# Altium PCB LH_JG_HHT_MAIN_PCB(DY)_V3.1DPT20170416PM.PcbDoc
Units mm, origin at the board's own origin, x right, y up, seen from the top; angles counter-clockwise.
Board outline 118.4 x 67 mm, 2 copper layers (Top Layer, Bottom Layer); 157 components, 70 nets, 441 pads, 169 vias.
Unrouted connection lines stored in the file: 1.
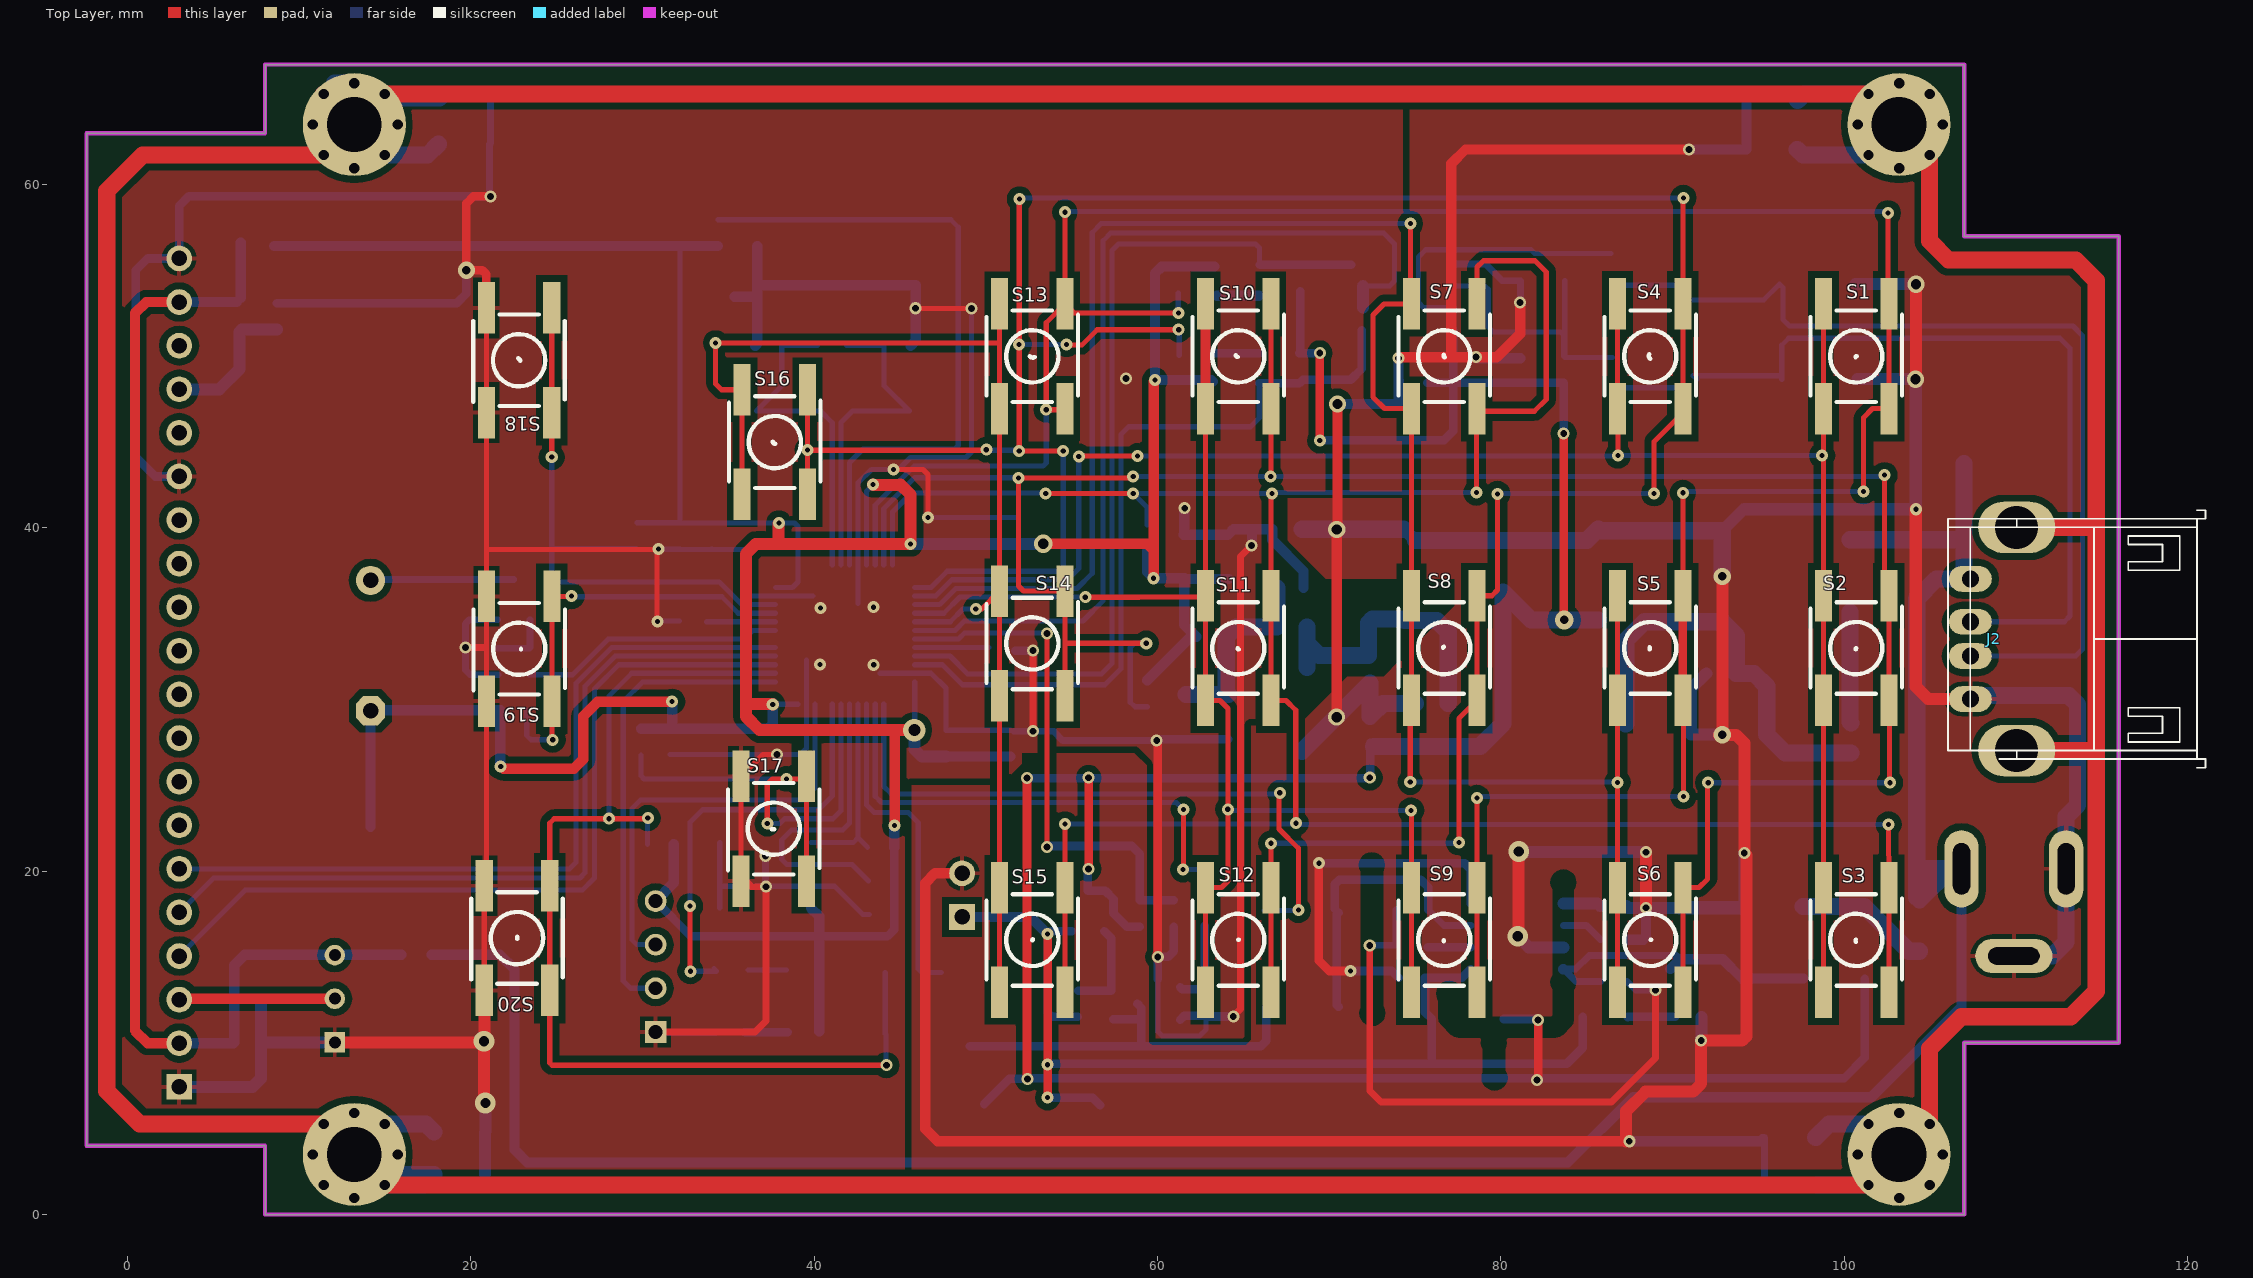
[diagram p0: Top Layer view]
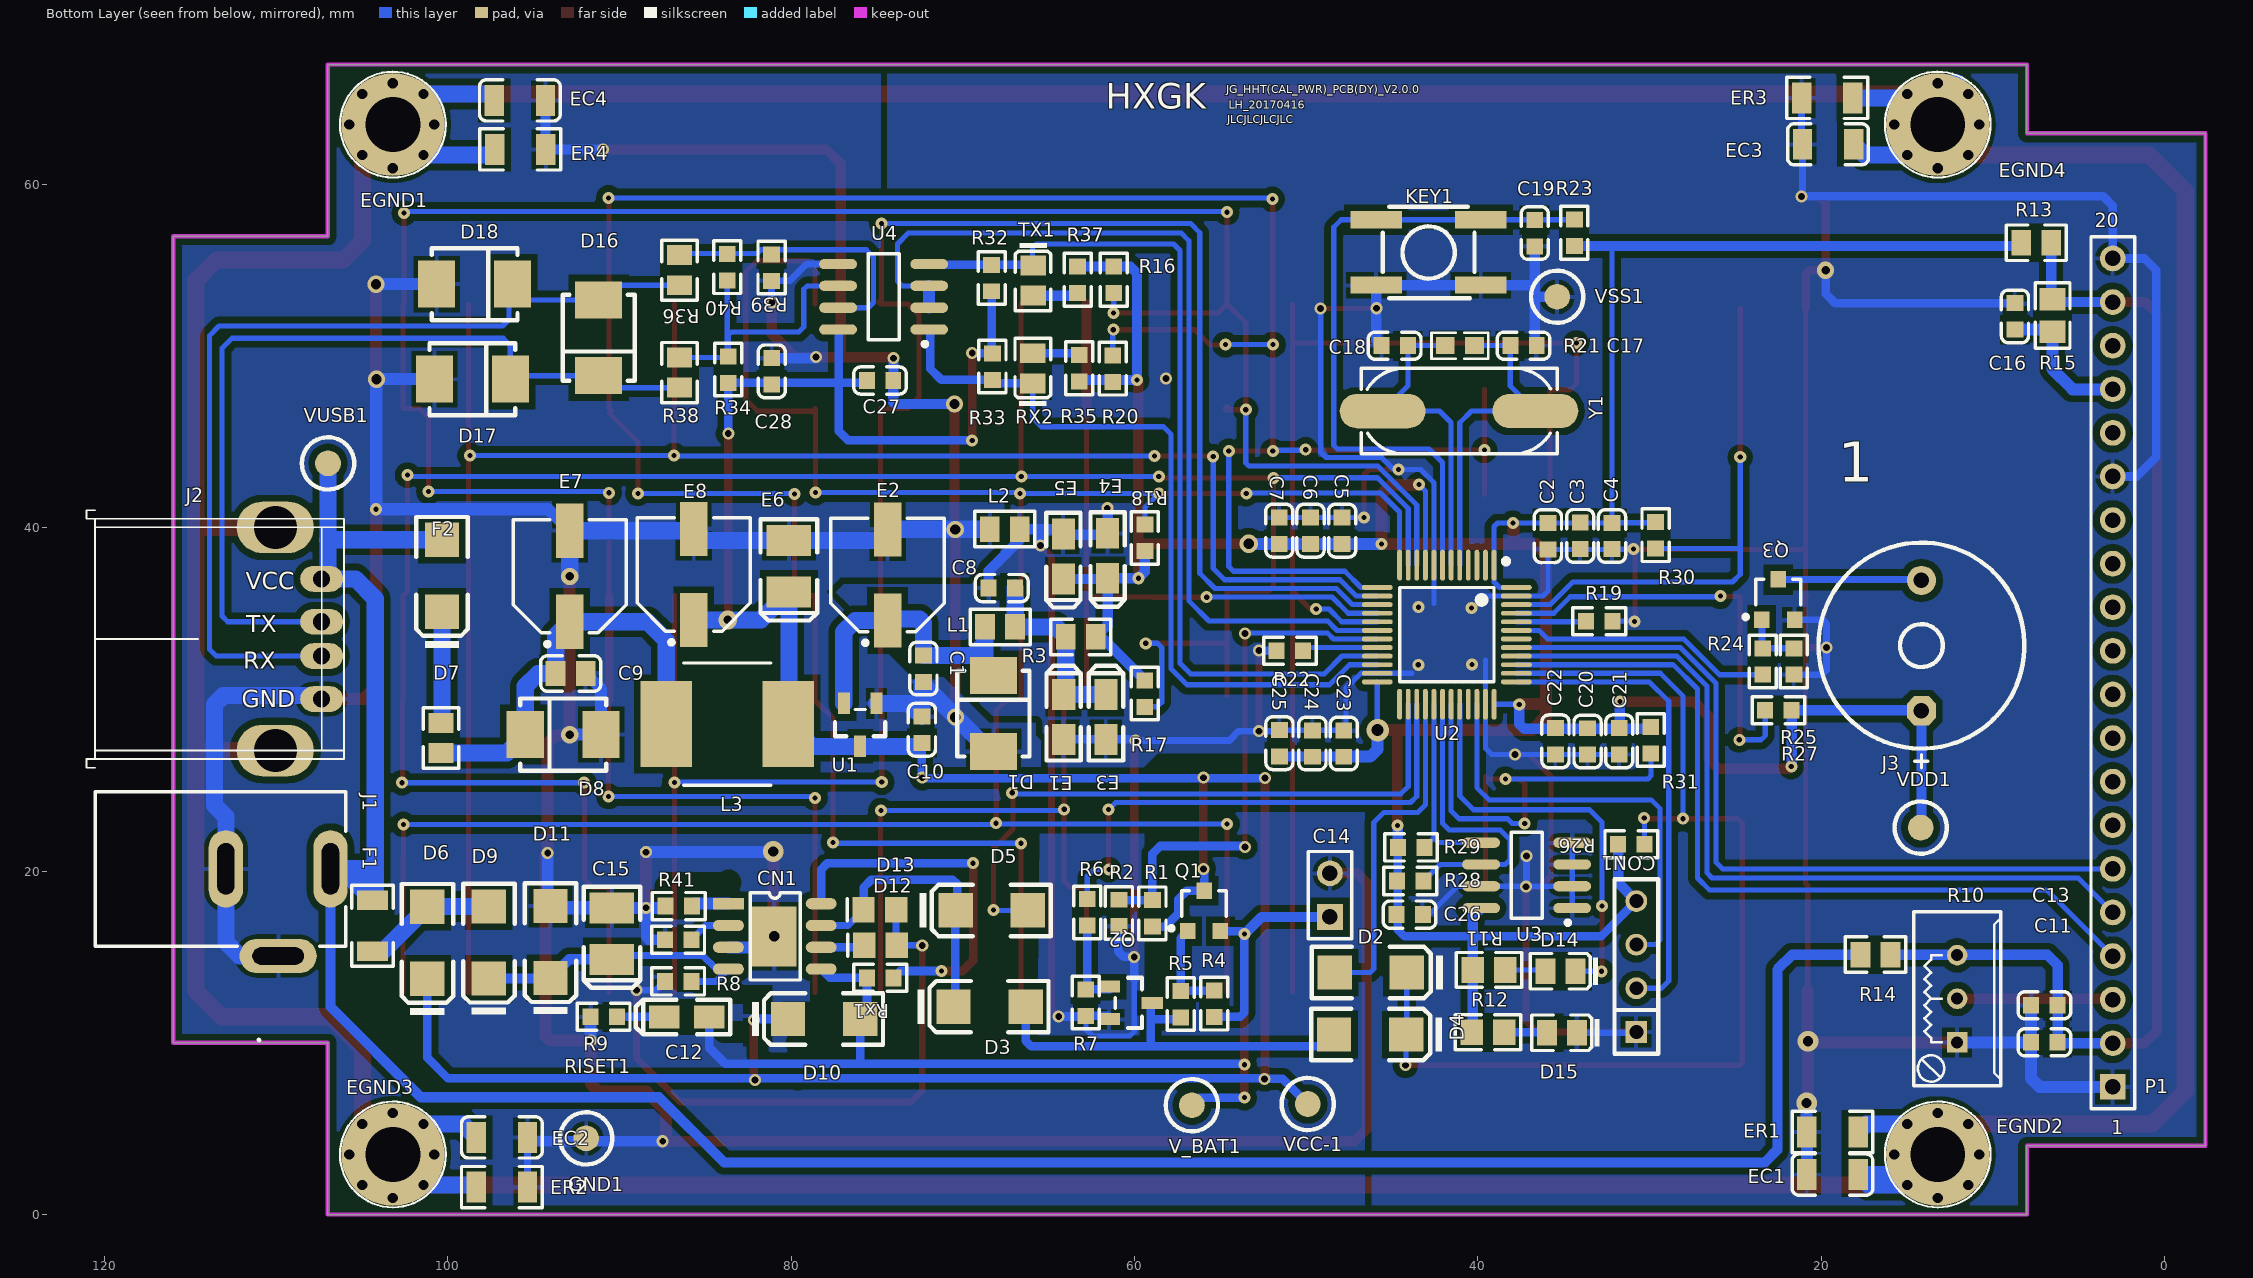
[diagram p1: Bottom Layer view, seen from below]

## Layer stack, top to bottom
Top Solder: solder mask 0.0102, Solder Resist, Dk 3.5
Top Layer: signal copper 0.0356
Dielectric1: dielectric 0.32, FR-4, Dk 4.8
Bottom Layer: signal copper 0.0356
Bottom Solder: solder mask 0.0102, Solder Resist, Dk 3.5

## Board outline
-2.4,4 -2.4,63 8,63 8,67 107,67 107,57 116,57 116,10 107,10 107,0 8,0 8,4

## Design rules (kind name [scope] priority, off if disabled: settings)
Clearance Clearance-poly [InPolygon] p1: gap=0.4
Clearance Clearance-track [All] p2: gap=0.2
PolygonConnect PolygonConnect_via [IsVia] p1: connectstyle=Direct reliefconductorwidth=0.254 reliefentries=4 polygonreliefangle="90 Angle" airgapwidth=0.254
PolygonConnect PolygonConnect_pad [All] p2: connectstyle=Relief reliefconductorwidth=0.254 reliefentries=4 polygonreliefangle="90 Angle" airgapwidth=0.254
RoutingVias [All] p1: holewidth=0.711 width=1.27 viastyle="Through Hole" minholewidth=0.711 minwidth=1.27 maxholewidth=0.711 maxwidth=1.27
SilkToSolderMaskClearance [IsPad] p1: minsilkscreentomaskgap=0 clearancetoexposedcopper=TRUE
SolderMaskExpansion [All] p1: expansion=0.102
Width [All] p1: maxlimit=2 minlimit=0.254 preferedwidth=0.4
29 further rules are at their usual default settings.

## Components (designator, comment, footprint, x,y, rotation, side; value= is the part's Value field where it differs from the comment)
C1 "100nf" LC-0603_C 72.29,31.809 r90 bottom
C2 "100nf" LC-0603_C 35.91,39.52 r270 bottom
C3 "100nf" LC-0603_C 34.03,39.54 r90 bottom
C4 "100nf" LC-0603_C 32.176,39.53 r90 bottom
C5 "100nf" LC-0603_C 47.9,39.84 r270 bottom
C6 "100nf" LC-0603_C 49.74,39.84 r270 bottom
C7 "100nf" LC-0603_C 51.56,39.84 r270 bottom
C8 "100nf" LC-0603_C 67.73,36.5 r180 bottom
C9 "100nf" LC-0805_C 92.84,31.521 r0 bottom
C10 "100nf" LC-0603_C 72.38,28.245 r270 bottom
C11 "1uf" LC-0603_C 6.985,10.033 r0 bottom
C12 "10uf" LC-CASE-A_3216 86.08,11.51 r0 bottom
C13 "0.01uF" LC-0603_C 6.985,12.192 r0 bottom
C14 "LI_BAT" HDR2X1-2.54 48.61,17.34 r90 bottom
C15 "100uF" LC-CASE-B_3528 90.44,16.37 r270 bottom
C16 "1uF" LC-0603_C 8.7,52.324 r90 bottom
C17 "22PF" LC-0603_C 37.33,50.622 r180 bottom
C18 "22PF" LC-0603_C 44.84,50.622 r0 bottom
C19 "100nf" LC-0603_C 36.68,57.18 r90 bottom
C20 "100nf" LC-0603_C 33.6,27.56 r90 bottom
C21 "100nf" LC-0603_C 31.75,27.57 r90 bottom
C22 "100nf" LC-0603_C 35.47,27.57 r90 bottom
C23 "100nf" LC-0603_C 47.8,27.44 r270 bottom
C24 "100nf" LC-0603_C 49.63,27.44 r270 bottom
C25 "100nf" LC-0603_C 51.55,27.46 r270 bottom
C26 "100nf" LC-0603_C 43.97,17.475 r0 bottom
C27 "100nf" LC-0603_C 74.82,48.59 r180 bottom
C28 "100nf" LC-0603_C 81.13,49.124 r90 bottom
CN1 "CN3153" SOIC8 83.65,18.11 r180 bottom
CON1 "4 HEADER" sip4 30.76,10.643 r90 bottom
D1 "smbj5.0ca" LC-SMB(DO-214AA)_S1 68.215,29.185 r270 bottom
D2 "SS14" LC-SMA(DO-214AC)_S5 46.23,14.097 r0 bottom
D3 "SS14" LC-SMA(DO-214AC)_S5 68.44,12.11 r180 bottom
D4 "SS14" LC-SMA(DO-214AC)_S5 46.27,10.49 r0 bottom
D5 "SS14" LC-SMA(DO-214AC)_S5 68.31,17.72 r180 bottom
D6 "SS14" LC-SMA(DO-214AC)_S5 101.19,15.83 r90 bottom
D7 "SS14" LC-SMA(DO-214AC)_S5 100.34,37.211 r90 bottom
D8 "smbj5.0ca" LC-SMB(DO-214AA)_S1 93.28,27.965 r180 bottom
D9 "SS14" LC-SMA(DO-214AC)_S5 97.61,15.85 r90 bottom
D10 "SS14" LC-SMA(DO-214AC)_S5 78.08,11.39 r180 bottom
D11 "smbj5.0ca" LC-SMA(DO-214AC)_S5 94.02,15.88 r90 bottom
D12 "LED0" LED-0805 74.79,15.69 r0 bottom
D13 "LED0" LED-0805 74.83,17.755 r0 bottom
D14 "LED0" LC-0805_LED_S1 35.18,14.173 r0 bottom
D15 "LED0" LC-0805_LED_S1 35.09,10.592 r0 bottom
D16 "smbj5.0ca" LC-SMB(DO-214AA)_S1 91.21,51.079 r90 bottom
D17 "smbj5.0ca" LC-SMB(DO-214AA)_S1 98.57,48.666 r0 bottom
D18 "smbj5.0ca" LC-SMB(DO-214AA)_S1 98.44,54.204 r0 bottom
E1 "10uF" LC-CASE-A_3216 64.12,28.992 r90 bottom
E2 "22uF" HONOR_63X54 74.38,37.262 r90 bottom
E3 "10uF" LC-CASE-A_3216 61.66,28.992 r90 bottom
E4 "10uF" LC-CASE-A_3216 61.56,38.379 r270 bottom
E5 "10uF" LC-CASE-A_3216 64.14,38.339 r270 bottom
E6 "10uF" LC-CASE-B_3528 80.13,37.77 r270 bottom
E7 "220uF/10V" HONOR_63X54 92.9,37.186 r90 bottom
E8 "220uF/10V" HONOR_63X54 85.67,37.287 r90 bottom
EC1 "103 200V" LC-1206_C 19.33,2.33 r0 bottom
EC2 "103 200V" LC-1206_C 96.85,4.496 r180 bottom
EC3 "103 200V" LC-1206_C 19.59,62.354 r0 bottom
EC4 "103 200V" LC-1206_C 95.8,64.91 r180 bottom
EGND1 "EGND" H-6-3.2m 103.2,63.5 r180 bottom
EGND2 "EGND" H-6-3.2m 13.2,3.5 r180 bottom
EGND3 "EGND" H-6-3.2m 103.2,3.5 r180 bottom
EGND4 "EGND" H-6-3.2m 13.2,63.5 r180 bottom
ER1 "1M" LC-1206_R 19.33,4.81 r0 bottom
ER2 "1M" LC-1206_R 96.85,1.6 r180 bottom
ER3 "1M" LC-1206_R 19.64,65.054 r0 bottom
ER4 "1M" LC-1206_R 95.78,62.052 r180 bottom
F1 "SMD1206P050TF" LC-1206_R 104.39,16.83 r90 bottom
F2 "1210L020" LC-0805_R 100.4,27.762 r270 bottom
GND1 "CHECK" CHECK-B 91.94,4.44 r90 bottom
J1 "PWRCON" DC-005 105.82,20.142 r180 bottom
J2 "USB" USB-4-A 107.35,37.033 r180 top
J3 "BEEP-S" BEEP-S 14.147,33.147 r90 bottom locked
KEY1 "SW-PB4" 金属轻触开关 42.86,56.05 r180 bottom
L1 "10uh" LC-0805_L 67.82,34.239 r180 bottom
L2 "10uh" LC-0805_L 67.555,39.929 r180 bottom
L3 "VLU0810-221K" L-SMD-7 83.72,28.575 r180 bottom
P1 "12864" HDR1X20 3,7.44 r90 bottom
Q1 "MOSFET-P1" SOT23-3 55.94,17.69 r180 bottom
Q2 "MOSFET-N" LC-SOT-23(SOT-23-3) 60.21,12.33 r0 bottom
Q3 "S8050" SOT23-3 22.49,35.83 r180 bottom
R1 "200K" LC-0603_R 58.95,17.546 r90 bottom
R2 "200K" LC-0603_R 60.9,17.57 r270 bottom
R3 "R5@1M" LC-0805_R 63.125,33.655 r0 bottom
R4 "200K" LC-0603_R 55.35,12.288 r90 bottom
R5 "3K" LC-0603_R 57.3,12.263 r90 bottom
R6 "3K" LC-0603_R 62.75,17.6 r270 bottom
R7 "200K" LC-0603_R 62.83,12.35 r90 bottom
R8 "1K" LC-0603_R 86.58,13.58 r180 bottom
R9 "1R" LC-0603_R 90.92,11.52 r0 bottom
R10 "RPot" VR-3296W 12.065,12.573 r90 bottom
R11 "1K" 0805-1 39.34,14.249 r0 bottom
R12 "1K" 0805-1 39.4,10.617 r0 bottom
R13 "0R" LC-0805_R 7.46,56.617 r180 bottom
R14 "0R" LC-0805_R 16.83,15.138 r180 bottom
R15 "10K" 0805-1 6.51,52.375 r270 bottom
R16 "10K" LC-0603_R 61.2,54.46 r90 bottom
R17 "10K" LC-0603_R 59.4,30.35 r90 bottom
R18 "10K" LC-0603_R 59.39,39.42 r270 bottom
R19 "10K" LC-0603_R 32.92,34.569 r0 bottom
R20 "10K" LC-0603_R 61.26,49.28 r270 bottom
R21 "1M" 0603-1 41.04,50.622 r180 bottom
R22 "10K" LC-0603_R 50.94,32.842 r180 bottom
R23 "10K" LC-0603_R 34.37,57.2 r270 bottom
R24 "1K" LC-0603_R 23.39,32.22 r90 bottom
R25 "10k" LC-0603_R 21.58,32.22 r90 bottom
R26 "10K" LC-0603_R 31.05,21.57 r0 bottom
R27 "10K" LC-0603_R 22.48,29.38 r180 bottom
R28 "10K" LC-0603_R 43.93,19.431 r180 bottom
R29 "10K" LC-0603_R 43.88,21.387 r180 bottom
R30 "10K" LC-0603_R 29.64,39.58 r90 bottom
R31 "10K" LC-0603_R 29.92,27.64 r90 bottom
R32 "10K" LC-0603_r 68.32,54.559 r270 bottom
R33 "10K" LC-0603_r 68.27,49.403 r90 bottom
R34 "1K" LC-0603_R 83.66,49.225 r270 bottom
R35 "1K" LC-0603_R 63.21,49.301 r90 bottom
R36 "R5@1M" LC-0805_R 86.51,55.016 r90 bottom
R37 "1K" LC-0603_R 63.31,54.458 r270 bottom
R38 "R5@1M" LC-0805_R 86.5,49.047 r90 bottom
R39 "1K" LC-0603_R 81.14,55.169 r90 bottom
R40 "120R" LC-0603_R 83.72,55.194 r90 bottom
R41 "1k" LC-0603_R 86.55,17.97 r0 bottom
RISET1 "2K" LC-0603_R 86.58,16.01 r0 bottom
Rx1 "330K" LC-0603_R 74.81,13.79 r180 bottom
RX2 "LEDS" LC-0805_LED_S1 65.92,49.301 r90 bottom
S1 "SW-PB4" 金属轻触开关 100.7,50 r90 top locked
S2 "SW-PB4" 金属轻触开关 100.7,33 r90 top locked
S3 "SW-PB4" 金属轻触开关 100.7,16 r90 top locked
S4 "SW-PB4" 金属轻触开关 88.7,50 r90 top locked
S5 "SW-PB4" 金属轻触开关 88.7,33 r90 top locked
S6 "SW-PB4" 金属轻触开关 88.7,16 r90 top locked
S7 "SW-PB4" 金属轻触开关 76.7,50 r90 top locked
S8 "SW-PB4" 金属轻触开关 76.7,33 r90 top
S9 "SW-PB4" 金属轻触开关 76.7,16 r90 top locked
S10 "SW-PB4" 金属轻触开关 64.7,50 r90 top locked
S11 "SW-PB4" 金属轻触开关 64.7,33 r90 top locked
S12 "SW-PB4" 金属轻触开关 64.7,16 r90 top locked
S13 "SW-PB4" 金属轻触开关 52.7,50 r90 top locked
S14 "SW-PB4" 金属轻触开关 52.7,33.274 r90 top locked
S15 "SW-PB4" 金属轻触开关 52.7,16 r90 top locked
S16 "SW-PB4" 金属轻触开关 37.7,45 r90 top locked
S17 "SW-PB4" 金属轻触开关 37.642,22.479 r270 top locked
S18 "SW-PB4" 金属轻触开关 22.8,49.771 r270 top locked
S19 "SW-PB4" 金属轻触开关 22.81,32.964 r270 top locked
S20 "SW-PB4" 金属轻触开关 22.68,16.106 r270 top locked
TX1 "LEDS" LC-0805_LED_S1 65.9,54.407 r270 bottom
U1 "XC6206-XX" LC-SOT-23(SOT-23-3) 75.98,28.524 r90 bottom
U2 "STM32F103C" LC-LQFP-48_7x7x05P 41.8,33.782 r0 bottom locked
U3 "AT24C256CSSHLT" SOIC-8 37.15,19.761 r0 bottom
U4 "SN65LBC184DR" soic-8 74.61,53.467 r0 bottom
V_BAT1 "CHECK" CHECK-B 56.65,6.37 r90 bottom
VCC-1 "CHECK" CHECK-B 49.9,6.44 r90 bottom
VDD1 "CHECK" CHECK-B 14.19,22.54 r180 bottom
VSS1 "CHECK" CHECK-B 35.37,53.47 r180 bottom
VUSB1 "CHECK" CHECK-B 106.98,43.764 r90 bottom
Y1 "XTAL" X-SM49 41.09,46.812 r180 bottom

## Footprints (in the part's own frame and the unit in brackets; to place one, negate y for a bottom-side part, rotate by r counter-clockwise, add the part's x,y. Pads: shape width x height; smd on the part's side, far side on the other; paste and mask are expansions set on the pad)
0603-1 [mm] "0805带丝印"
  rect 1.1x1 smd: 1(-0.85,0) 2(0.85,0)
  silkscreen extent -1.65,-0.76 1.65,0.76, body extent -0.8,-0.4 0.8,0.4, height 0.3
0805-1 [mm]
  rect 1.3x1.5 smd: 1(-0.95,0) 2(0.95,0)
  silkscreen extent -1.91,-1.02 1.91,1.02, body extent -1,-0.62 1,0.63, height 0.5
BEEP-S [mm]
  oct 1.7x1.7 hole 0.9: 1(-3.8,0)
  round 1.7 hole 0.9: 2(3.8,0)
  silkscreen extent -7.11,-6 6,6
CHECK-B [mm]
  round 1.5 smd: 1(0,0)
  silkscreen extent -1.52,-1.52 1.52,1.52
DC-005 [mm]
  oval 2x4.5 hole 1 slot 3 at 90 deg: 1(-1.016,0) 2(-7.112,0)
  oval 4.5x2 hole 1 slot 3 at 0 deg: 3(-4.064,-5.08)
  silkscreen extent -14.73,-4.5 -0.13,4.5, body extent -14.59,-5.01 -0.76,4.5, height 11.02
H-6-3.2m [mm]
  round 6 hole 3.2: 0(0,0)
  silkscreen extent -3.08,-3.08 3.08,3.08
HDR1X20 [mm] "Connector; Header; 20 Position"
  rect 1.5x1.5 hole 0.9: 1(0,0)
  round 1.5 hole 0.9: 2(2.54,0) 3(5.08,0) 4(7.62,0) 5(10.16,0) 6(12.7,0) 7(15.24,0) 8(17.78,0) 9(20.32,0) 10(22.86,0) 11(25.4,0) 12(27.94,0) 13(30.48,0) 14(33.02,0) 15(35.56,0) 16(38.1,0) 17(40.64,0) 18(43.18,0) 19(45.72,0) 20(48.26,0)
  silkscreen extent -1.27,-1.27 49.53,1.27
HDR2X1-2.54 [mm] "2.54单?"
  rect 1.5x1.5 hole 0.9: 1(0,0)
  round 1.5 hole 0.9: 2(2.54,0)
  silkscreen extent -1.27,-1.27 3.81,1.27, body extent -1.27,-1.27 3.81,1.27, height 8.54
HONOR_63X54 [mm]
  rect 3.15x1.6 smd: 1(-2.65,0) 2(2.65,0)
  silkscreen extent -4.07,-3.3 3.3,3.3
L-SMD-7 [mm] "贴片"
  rect 3x5 smd: 1(-3.556,0) 2(3.556,0)
  silkscreen extent -2.54,-3.56 2.54,3.56, body extent -3.56,-3.56 3.56,3.56, height 4
LC-0603_C [mm]
  rect 0.93x0.98 smd: 1(-0.77,0) 2(0.77,0)
  silkscreen extent -1.54,-0.79 1.54,0.79, body extent -0.8,-0.4 0.8,0.4, height 0.3
LC-0603_R [mm]
  rect 0.93x0.98 smd: 1(-0.77,0) 2(0.77,0)
  silkscreen extent -1.53,-0.79 1.54,0.79, body extent -0.85,-0.4 0.85,0.4, height 0.56
LC-0603_r [mm]
  rect 0.93x0.98 smd: 1(-0.77,0) 2(0.77,0)
  silkscreen extent -1.53,-0.79 1.54,0.79, body extent -0.85,-0.4 0.85,0.4, height 0.56
LC-0805_C [mm]
  rect 1.16x1.47 smd: 1(-0.875,0) 2(0.875,0)
  silkscreen extent -1.76,-1.04 1.76,1.04, body extent -1,-0.62 1,0.62, height 0.77
LC-0805_L [mm]
  rect 1.16x1.47 smd: 1(-0.875,0) 2(0.875,0)
  silkscreen extent -1.75,-1.03 1.75,1.04, body extent -1,-0.64 1,0.64, height 0.6
LC-0805_LED_S1 [mm]
  rect 1.16x1.47 smd: 1(0.875,0) 2(-0.875,0)
  silkscreen extent -2.2,-1.04 1.76,1.03, body extent -1.01,-0.63 1.01,0.62, height 1.1
LC-0805_R [mm]
  rect 1.16x1.47 smd: 1(-0.875,0) 2(0.875,0)
  silkscreen extent -1.76,-1.03 1.76,1.03, body extent -1,-0.63 1,0.63, height 0.49
LC-1206_C [mm]
  rect 1.13x1.8 smd: 1(-1.49,0) 2(1.49,0)
  silkscreen extent -2.36,-1.2 2.35,1.2, body extent -1.6,-0.81 1.6,0.79, height 1
LC-1206_R [mm]
  rect 1.13x1.8 smd: 1(-1.49,0) 2(1.49,0)
  silkscreen extent -2.36,-1.2 2.35,1.2, body extent -1.7,-0.86 1.65,0.87, height 0.85
LC-CASE-A_3216 [mm]
  rect 1.8x1.35 smd: 1(1.31,0) 2(-1.31,0)
  silkscreen extent -2.54,-1 2.97,1, body extent -1.7,-0.84 1.7,0.84, height 1.71
LC-CASE-B_3528 [mm]
  rect 1.8x2.6 smd: 1(1.5,0) 2(-1.5,0)
  silkscreen extent -2.73,-1.65 3.16,1.65, body extent -1.85,-1.47 1.85,1.46, height 2.03
LC-LQFP-48_7x7x05P [mm]
  oval 0.28x1.8 smd mask+0.051: 1(-2.75,-4.05) 2(-2.25,-4.05) 3(-1.75,-4.05) 4(-1.25,-4.05) 5(-0.75,-4.05) 6(-0.25,-4.05) 7(0.25,-4.05) 8(0.75,-4.05) 9(1.25,-4.05) 10(1.75,-4.05) 11(2.25,-4.05) 12(2.75,-4.05) 25(2.75,4.05) 26(2.25,4.05) 27(1.75,4.05) 28(1.25,4.05) 29(0.75,4.05) 30(0.25,4.05) 31(-0.25,4.05) 32(-0.75,4.05) 33(-1.25,4.05) 34(-1.75,4.05) 35(-2.25,4.05) 36(-2.75,4.05)
  oval 1.8x0.28 smd mask+0.051: 13(4.05,-2.75) 14(4.05,-2.25) 15(4.05,-1.75) 16(4.05,-1.25) 17(4.05,-0.75) 18(4.05,-0.25) 19(4.05,0.25) 20(4.05,0.75) 21(4.05,1.25) 22(4.05,1.75) 23(4.05,2.25) 24(4.05,2.75) 37(-4.05,2.75) 38(-4.05,2.25) 39(-4.05,1.75) 40(-4.05,1.25) 41(-4.05,0.75) 42(-4.05,0.25) 43(-4.05,-0.25) 44(-4.05,-0.75) 45(-4.05,-1.25) 46(-4.05,-1.75) 47(-4.05,-2.25) 48(-4.05,-2.75)
  silkscreen extent -3.6,-4.42 2.75,2.75
LC-SMA(DO-214AC)_S5 [mm]
  rect 2x2 smd: 1(2.1,0) 2(-2.1,0)
  silkscreen extent -4.2,-1.5 3.43,1.5
LC-SMB(DO-214AA)_S1 [mil]
  rect 85x107.99 smd: 1(87.01,0) 2(-87.01,0)
  silkscreen extent -98,-83 98,83
LC-SOT-23(SOT-23-3) [mm]
  rect 1.25x0.7 smd: 1(1.25,-0.95) 2(1.25,0.95) 3(-1.25,0)
  silkscreen extent -0.65,-1.46 0.9,1.46, body extent -1.5,-1.5 1.5,1.5, height 1.3
LED-0805 [mm] "直径3"
  rect 1.3x1.5 smd: 1(-0.95,0) 2(0.95,0)
  silkscreen extent 1.91,-0.64 1.91,0.64
sip4 [mil]
  rect 50x50 hole 32: 1(0,0)
  round 50 hole 32: 2(100,0) 3(200,0) 4(300,0)
  silkscreen extent -50,-50 350,50
SOIC8 [mm]
  rect 2.6x3.51 smd: 0(2.667,-1.905)
  rect 1.8x0.65 smd: 1(0,0)
  oval 1.8x0.65 smd: 2(0,-1.27) 3(0,-2.54) 4(0,-3.81) 5(5.4,-3.81) 6(5.4,-2.54) 7(5.4,-1.27) 8(5.4,0)
  silkscreen extent 1.27,-4.45 4.19,0.63
SOIC-8 [mm]
  oval 2.2x0.6 smd: 1(-2.654,1.905) 2(-2.654,0.635) 3(-2.654,-0.635) 4(-2.654,-1.905) 5(2.654,-1.905) 6(2.654,-0.635) 7(2.654,0.635) 8(2.654,1.905)
  silkscreen extent -2.52,-2.5 0.9,2.88, body extent -3,-2.45 3,2.45, height 1.7
soic-8 [mm]
  oval 2.2x0.6 smd: 1(-2.654,1.905) 2(-2.654,0.635) 3(-2.654,-0.635) 4(-2.654,-1.905) 5(2.654,-1.905) 6(2.654,-0.635) 7(2.654,0.635) 8(2.654,1.905)
  silkscreen extent -2.52,-2.5 0.9,2.88, body extent -3,-2.45 3,2.45, height 1.7
SOT23-3 [mm]
  rect 0.9x0.95 smd: 1(-0.95,-1.175) 2(0.95,-1.175) 3(0,1.175)
  silkscreen extent -2.03,-1.14 1.3,1.18, body extent -1.45,-1.4 1.45,1.4, height 1.2
USB-4-A [mm]
  oval 2.5x1.5 hole 1: 1(0,0) 2(0,2.5) 3(0,4.5) 4(0,7)
  oval 4.5x3 hole 2.5: 5(-2.7,10) 6(-2.7,-3)
  silkscreen extent -13.7,-4 1.3,11
VR-3296W [mm]
  rect 1.2x1.2 hole 0.7: 1(-2.54,0)
  round 1.2 hole 0.7: 2(0,0) 3(2.54,0)
  silkscreen extent -5.08,-2.54 5.08,2.54, body extent -4.75,-2.54 4.75,2.46, height 11.5
X-SM49 [mm]
  oval 5x2 smd: 1(4.45,0.004) 2(-4.45,-0.004)
  silkscreen extent -5.7,-2.5 5.72,2.5, body extent -6.7,-2.46 6.7,2.44, height 4
金属轻触开关 [mm]
  rect 3x1 smd: 1(-3.048,1.905) 2(-3.048,-1.905) 3(3.048,-1.905) 4(3.048,1.905)
  silkscreen extent -2.67,-2.67 2.67,2.67, body extent -2.54,-2.54 2.54,2.54, height 2

## Part data
C1 C2 C3 C4 C5 C6 C7 C8 C9 C10 C12 C20 C21 C22 C23 C24 C25 C26 C27 C28: library part CAP, "Capacitor"
C11 C13 C16 C17 C18: library part Cap-S, "贴片瓷片电容"
C14 C15: library part "Cap Pol1", "Polarized Capacitor (Radial)"
C19 EC1 EC2 EC3 EC4: library part Cap, "Capacitor"
CON1: "4 Pin Header"
D1 D8 D11 D16 D17 D18: library part ZENER3, "Zener Diode"
D2 D3 D4 D5 D6 D9 D10: library part Diode, "Default Diode"
D7: library part Dio, "整流二极管"
D12 D13 D14 D15: "发光二极管"
E1 E2 E3 E4 E5 E6 E7 E8: library part ELECTRO2, "Electrolytic Capacitor"
ER1 ER2 ER3 ER4 R3 R19 R22: library part RES2
F1: library part "Fuse 1", "Fuse"
F2: library part Fus, "保险丝"
GND1 V_BAT1 VCC-1 VDD1 VSS1 VUSB1: library part C, "测试点"
J1: library part P, "直流电源端子"
J2: library part U, "USB接口"
J3: "有源蜂鸣器"
KEY1 S1 S2 S3 S4 S5 S6 S7 S8 S9 S10 S11 S12 S13 S14 S15 S16 S17 S18 S19 S20: "微动开关"
L1 L2 L3: library part INDUCTOR
P1: library part "Header 20", "Header, 20-Pin"
Q2: "N-Channel MOSFET"
Q3: library part NPN1, "贴片三极管"
R1 R2 R4 R5 R6 R7 R8 R9 R23 R28 R29 R32 R33 R34 R35 R36 R37 R38 R39 R40 R41 RISET1 Rx1: library part Res2, "Resistor"
R10: "精密可调电阻"
R11 R12 R15 R16 R17 R18 R20 R21 R24 R25 R26 R27 R30 R31: library part Res1, "贴片电阻"
R13 R14: library part R, "贴片电阻"
U2: library part ST, "STM32单片机48引脚"
U3: library part A, "EEROM存储器"
U4: library part 75176B
Y1: "晶振"

## Via types
v1: diameter 0.7, hole 0.3, Top Layer to Bottom Layer, 84 vias
v2: diameter 0.7, hole 0.4, Top Layer to Bottom Layer, 38 vias
v3: diameter 0.8, hole 0.6, Top Layer to Bottom Layer, 32 vias
v4: diameter 1, hole 0.6, Top Layer to Bottom Layer, 5 vias
v5: diameter 1.2, hole 0.6, Top Layer to Bottom Layer, 4 vias
v6: diameter 1, hole 0.5, Top Layer to Bottom Layer, 3 vias
v7: diameter 1.3, hole 0.7, Top Layer to Bottom Layer, 1 vias
v8: diameter 1.1, hole 0.6, Top Layer to Bottom Layer, 1 vias
v9: diameter 1.1, hole 0.5, Top Layer to Bottom Layer, 1 vias
